# Allegro board SDHCalFEB.brd (continued)
## Nets (continued)
U245.1(P) U245.2(N) U248.1(P) U248.2(N) U249.1(P) U249.2(N) U250.1(P) U250.2(N) U251.1(P) U251.2(N) U252.1(P) U252.2(N) U253.1(P) U253.2(N) U254.1(P) U254.2(N) U255.1(P) U255.2(N) U256.1(P) U256.2(N) U257.1(P) U257.2(N) U258.1(P) U258.2(N) U259.1(P) U259.2(N) U260.1(VSSI#1) U260.21(GND_PA#21) U260.41(VSSI#41) U260.42(GND_PA#42) U260.57(GND_PA#57) U260.58(VSSI#58) U260.64(VSSA#64) U260.66(GND_DAC) U260.69(GND_BG) U260.74(VSSA#74) U260.75(VSSM#75) U260.81(VSSD#81) U260.101(VSSD#101) U260.103(RTN) U260.121(VSSD#121) U260.122(GNDD) U260.125(GND_DISCRI) U260.126(VSSM#126) U260.127(VSSA#127) U260.138(GND_SC) U260.139(VSSA#139) U260.140(GND2_PA) U260.141(GND_CAPA) U260.142(GND_SH) U260.144(VSSI#144) U260.145(GND_PA#145) U260.160(GND_PA#160) U261.1(P) U261.2(N) U262.1(P) U262.2(N) U263.1(P) U263.2(N) U264.1(P) U264.2(N) U265.1(P) U265.2(N) U266.1(P) U266.2(N) U267.1(P) U267.2(N) U268.1(P) U268.2(N) U269.1(P) U269.2(N) U270.1(P) U270.2(N) U271.1(P) U271.2(N) U272.1(P) U272.2(N) U273.1(P) U273.2(N) U274.1(P) U274.2(N) U275.1(P) U275.2(N) U276.1(P) U276.2(N) U277.1(P) U277.2(N) U278.1(P) U278.2(N) U279.1(P) U279.2(N) U280.1(P) U280.2(N) U281.1(P) U281.2(N) U282.1(P) U282.2(N) U283.1(P) U283.2(N) U284.1(P) U284.2(N) U285.1(P) U285.2(N) U286.1(P) U286.2(N) U287.1(P) U287.2(N) U288.1(P) U288.2(N) U289.1(P) U289.2(N) U290.1(P) U290.2(N) U291.1(P) U291.2(N) U292.1(P) U292.2(N) U293.1(P) U293.2(N) U294.1(P) U294.2(N) U295.1(P) U295.2(N) U296.1(P) U296.2(N) U297.1(P) U297.2(N) U298.1(P) U298.2(N) U299.1(P) U299.2(N) U300.1(P) U300.2(N) U301.1(P) U301.2(N) U302.1(P) U302.2(N) U303.1(P) U303.2(N) U304.1(P) U304.2(N) U305.1(P) U305.2(N) U306.1(P) U306.2(N) U307.1(P) U307.2(N) U308.1(P) U308.2(N) U309.1(P) U309.2(N) U310.1(P) U310.2(N) U311.1(P) U311.2(N) U312.1(P) U312.2(N) U313.1(P) U313.2(N) U314.1(P) U314.2(N) U315.1(P) U315.2(N) U316.1(P) U316.2(N) U317.1(P) U317.2(N) U318.1(P) U318.2(N) U319.1(P) U319.2(N) U320.1(P) U320.2(N) U321.1(P) U321.2(N) U322.1(P) U322.2(N) U323.1(P) U323.2(N) U324.1(P) U324.2(N) U325.1(VSSI#1) U325.21(GND_PA#21) U325.41(VSSI#41) U325.42(GND_PA#42) U325.57(GND_PA#57) U325.58(VSSI#58) U325.64(VSSA#64) U325.66(GND_DAC) U325.69(GND_BG) U325.74(VSSA#74) U325.75(VSSM#75) U325.81(VSSD#81) U325.101(VSSD#101) U325.103(RTN) U325.121(VSSD#121) U325.122(GNDD) U325.125(GND_DISCRI) U325.126(VSSM#126) U325.127(VSSA#127) U325.138(GND_SC) U325.139(VSSA#139) U325.140(GND2_PA) U325.141(GND_CAPA) U325.142(GND_SH) U325.144(VSSI#144) U325.145(GND_PA#145) U325.160(GND_PA#160) U326.1(P) U326.2(N) U327.1(P) U327.2(N) U328.1(P) U328.2(N) U329.1(P) U329.2(N) U330.1(P) U330.2(N) U331.1(P) U331.2(N) U332.1(P) U332.2(N) U333.1(P) U333.2(N) U334.1(P) U334.2(N) U335.1(P) U335.2(N) U336.1(P) U336.2(N) U337.1(P) U337.2(N) U338.1(P) U338.2(N) U339.1(P) U339.2(N) U340.1(P) U340.2(N) U341.1(P) U341.2(N) U342.1(P) U342.2(N) U343.1(P) U343.2(N) U344.1(P) U344.2(N) U345.1(P) U345.2(N) U346.1(P) U346.2(N) U347.1(P) U347.2(N) U348.1(P) U348.2(N) U349.1(P) U349.2(N) U350.1(P) U350.2(N) U351.1(P) U351.2(N) U352.1(P) U352.2(N) U353.1(P) U353.2(N) U354.1(P) U354.2(N) U355.1(P) U355.2(N) U356.1(P) U356.2(N) U357.1(P) U357.2(N) U358.1(P) U358.2(N) U359.1(P) U359.2(N) U360.1(P) U360.2(N) U361.1(P) U361.2(N) U362.1(P) U362.2(N) U363.1(P) U363.2(N) U364.1(P) U364.2(N) U365.1(P) U365.2(N) U366.1(P) U366.2(N) U367.1(P) U367.2(N) U368.1(P) U368.2(N) U369.1(P) U369.2(N) U370.1(P) U370.2(N) U371.1(P) U371.2(N) U372.1(P) U372.2(N) U373.1(P) U373.2(N) U374.1(P) U374.2(N) U375.1(P) U375.2(N) U376.1(P) U376.2(N) U377.1(P) U377.2(N) U378.1(P) U378.2(N) U379.1(P) U379.2(N) U380.1(P) U380.2(N) U381.1(P) U381.2(N) U382.1(P) U382.2(N) U383.1(P) U383.2(N) U384.1(P) U384.2(N) U385.1(P) U385.2(N) U386.1(P) U386.2(N) U387.1(P) U387.2(N) U388.1(P) U388.2(N) U389.1(P) U389.2(N) U390.1(VSSI#1) U390.21(GND_PA#21) U390.41(VSSI#41) U390.42(GND_PA#42) U390.57(GND_PA#57) U390.58(VSSI#58) U390.64(VSSA#64) U390.66(GND_DAC) U390.69(GND_BG) U390.74(VSSA#74) U390.75(VSSM#75) U390.81(VSSD#81) U390.101(VSSD#101) U390.103(RTN) U390.121(VSSD#121) U390.122(GNDD) U390.125(GND_DISCRI) U390.126(VSSM#126) U390.127(VSSA#127) U390.138(GND_SC) U390.139(VSSA#139) U390.140(GND2_PA) U390.141(GND_CAPA) U390.142(GND_SH) U390.144(VSSI#144) U390.145(GND_PA#145) U390.160(GND_PA#160) U391.1(P) U391.2(N) U392.1(P) U392.2(N) U393.1(P) U393.2(N) U394.1(P) U394.2(N) U395.1(P) U395.2(N) U396.1(P) U396.2(N) U397.1(P) U397.2(N) U398.1(P) U398.2(N) U399.1(P) U399.2(N) U400.1(P) U400.2(N) U401.1(P) U401.2(N) U402.1(P) U402.2(N) U403.1(P) U403.2(N) U404.1(P) U404.2(N) U405.1(P) U405.2(N) U406.1(P) U406.2(N) U407.1(P) U407.2(N) U408.1(P) U408.2(N) U409.1(P) U409.2(N) U410.1(P) U410.2(N) U411.1(P) U411.2(N) U412.1(P) U412.2(N) U413.1(P) U413.2(N) U414.1(P) U414.2(N) U415.1(P) U415.2(N) U416.1(P) U416.2(N) U417.1(P) U417.2(N) U418.1(P) U418.2(N) U419.1(P) U419.2(N) U420.1(P) U420.2(N) U421.1(P) U421.2(N) U422.1(P) U422.2(N) U423.1(P) U423.2(N) U424.1(P) U424.2(N) U425.1(P) U425.2(N) U426.1(P) U426.2(N) U427.1(P) U427.2(N) U428.1(P) U428.2(N) U429.1(P) U429.2(N) U430.1(P) U430.2(N) U431.1(P) U431.2(N) U432.1(P) U432.2(N) U433.1(P) U433.2(N) U434.1(P) U434.2(N) U435.1(P) U435.2(N) U436.1(P) U436.2(N) U437.1(P) U437.2(N) U438.1(P) U438.2(N) U439.1(P) U439.2(N) U440.1(P) U440.2(N) U441.1(P) U441.2(N) U442.1(P) U442.2(N) U443.1(P) U443.2(N) U444.1(P) U444.2(N) U445.1(P) U445.2(N) U446.1(P) U446.2(N) U447.1(P) U447.2(N) U448.1(P) U448.2(N) U449.1(P) U449.2(N) U450.1(P) U450.2(N) U451.1(P) U451.2(N) U452.1(P) U452.2(N) U453.1(P) U453.2(N) U454.1(P) U454.2(N) U455.1(VSSI#1) U455.21(GND_PA#21) U455.41(VSSI#41) U455.42(GND_PA#42) U455.57(GND_PA#57) U455.58(VSSI#58) U455.64(VSSA#64) U455.66(GND_DAC) U455.69(GND_BG) U455.74(VSSA#74) U455.75(VSSM#75) U455.81(VSSD#81) U455.101(VSSD#101) U455.103(RTN) U455.121(VSSD#121) U455.122(GNDD) U455.125(GND_DISCRI) U455.126(VSSM#126) U455.127(VSSA#127) U455.138(GND_SC) U455.139(VSSA#139) U455.140(GND2_PA) U455.141(GND_CAPA) U455.142(GND_SH) U455.144(VSSI#144) U455.145(GND_PA#145) U455.160(GND_PA#160) U456.1(P) U456.2(N) U457.1(P) U457.2(N) U458.1(P) U458.2(N) U459.1(P) U459.2(N) U460.1(P) U460.2(N) U461.1(P) U461.2(N) U462.1(P) U462.2(N) U463.1(P) U463.2(N) U464.1(P) U464.2(N) U465.1(P) U465.2(N) U466.1(P) U466.2(N) U467.1(P) U467.2(N) U470.1(P) U470.2(N) U473.1(P) U473.2(N) U476.1(P) U476.2(N) U477.1(P) U477.2(N) U478.1(P) U478.2(N) U479.1(P) U479.2(N) U480.1(P) U480.2(N) U481.1(P) U481.2(N) U482.1(P) U482.2(N) U483.1(P) U483.2(N) U484.1(P) U484.2(N) U486.1(P) U486.2(N) U489.1(P) U489.2(N) U491.1(P) U491.2(N) U492.1(P) U492.2(N) U493.1(P) U493.2(N) U494.1(P) U494.2(N) U495.1(P) U495.2(N) U497.1(P) U497.2(N) U500.1(P) U500.2(N) U502.1(P) U502.2(N) U503.1(P) U503.2(N) U504.1(P) U504.2(N) U505.1(P) U505.2(N) U508.1(P) U508.2(N) U509.1(P) U509.2(N) U510.1(P) U510.2(N) U511.1(P) U511.2(N) U512.1(P) U512.2(N) U513.1(P) U513.2(N) U514.1(P) U514.2(N) U515.1(P) U515.2(N) U516.1(P) U516.2(N) U517.1(P) U517.2(N) U518.1(P) U518.2(N) U519.1(P) U519.2(N) U520.1(VSSI#1) U520.21(GND_PA#21) U520.41(VSSI#41) U520.42(GND_PA#42) U520.57(GND_PA#57) U520.58(VSSI#58) U520.64(VSSA#64) U520.66(GND_DAC) U520.69(GND_BG) U520.74(VSSA#74) U520.75(VSSM#75) U520.81(VSSD#81) U520.101(VSSD#101) U520.103(RTN) U520.121(VSSD#121) U520.122(GNDD) U520.125(GND_DISCRI) U520.126(VSSM#126) U520.127(VSSA#127) U520.138(GND_SC) U520.139(VSSA#139) U520.140(GND2_PA) U520.141(GND_CAPA) U520.142(GND_SH) U520.144(VSSI#144) U520.145(GND_PA#145) U520.160(GND_PA#160) U521.1(P) U521.2(N) U522.1(P) U522.2(N) U523.1(P) U523.2(N) U524.1(P) U524.2(N) U525.1(P) U525.2(N) U526.1(P) U526.2(N) U527.1(P) U527.2(N) U528.1(P) U528.2(N) U529.1(P) U529.2(N) U530.1(P) U530.2(N) U531.1(P) U531.2(N) U532.1(P) U532.2(N) U533.1(P) U533.2(N) U534.1(P) U534.2(N) U535.1(P) U535.2(N) U536.1(P) U536.2(N) U537.1(P) U537.2(N) U538.1(P) U538.2(N) U539.1(P) U539.2(N) U540.1(P) U540.2(N) U541.1(P) U541.2(N) U542.1(P) U542.2(N) U543.1(P) U543.2(N) U544.1(P) U544.2(N) U545.1(P) U545.2(N) U546.1(P) U546.2(N) U547.1(P) U547.2(N) U548.1(P) U548.2(N) U549.1(P) U549.2(N) U550.1(P) U550.2(N) U551.1(P) U551.2(N) U552.1(P) U552.2(N) U553.1(P) U553.2(N) U554.1(P) U554.2(N) U555.1(P) U555.2(N) U556.1(P) U556.2(N) U557.1(P) U557.2(N) U558.1(P) U558.2(N) U559.1(P) U559.2(N) U560.1(P) U560.2(N) U561.1(P) U561.2(N) U562.1(P) U562.2(N) U563.1(P) U563.2(N) U564.1(P) U564.2(N) U565.1(P) U565.2(N) U566.1(P) U566.2(N) U567.1(P) U567.2(N) U568.1(P) U568.2(N) U569.1(P) U569.2(N) U570.1(P) U570.2(N) U571.1(P) U571.2(N) U572.1(P) U572.2(N) U573.1(P) U573.2(N) U574.1(P) U574.2(N) U575.1(P) U575.2(N) U576.1(P) U576.2(N) U577.1(P) U577.2(N) U578.1(P) U578.2(N) U579.1(P) U579.2(N) U580.1(P) U580.2(N) U581.1(P) U581.2(N) U582.1(P) U582.2(N) U583.1(P) U583.2(N) U584.1(P) U584.2(N) U585.1(VSSI#1) U585.21(GND_PA#21) U585.41(VSSI#41) U585.42(GND_PA#42) U585.57(GND_PA#57) U585.58(VSSI#58) U585.64(VSSA#64) U585.66(GND_DAC) U585.69(GND_BG) U585.74(VSSA#74) U585.75(VSSM#75) U585.81(VSSD#81) U585.101(VSSD#101) U585.103(RTN) U585.121(VSSD#121) U585.122(GNDD) U585.125(GND_DISCRI) U585.126(VSSM#126) U585.127(VSSA#127) U585.138(GND_SC) U585.139(VSSA#139) U585.140(GND2_PA) U585.141(GND_CAPA) U585.142(GND_SH) U585.144(VSSI#144) U585.145(GND_PA#145) U585.160(GND_PA#160) U586.1(P) U586.2(N) U587.1(P) U587.2(N) U588.1(P) U588.2(N) U589.1(P) U589.2(N) U590.1(P) U590.2(N) U591.1(P) U591.2(N) U592.1(P) U592.2(N) U593.1(P) U593.2(N) U594.1(P) U594.2(N) U595.1(P) U595.2(N) U596.1(P) U596.2(N) U597.1(P) U597.2(N) U598.1(P) U598.2(N) U599.1(P) U599.2(N) U600.1(P) U600.2(N) U601.1(P) U601.2(N) U602.1(P) U602.2(N) U603.1(P) U603.2(N) U604.1(P) U604.2(N) U605.1(P) U605.2(N) U606.1(P) U606.2(N) U607.1(P) U607.2(N) U608.1(P) U608.2(N) U609.1(P) U609.2(N) U610.1(P) U610.2(N) U611.1(P) U611.2(N) U612.1(P) U612.2(N) U613.1(P) U613.2(N) U614.1(P) U614.2(N) U615.1(P) U615.2(N) U616.1(P) U616.2(N) U617.1(P) U617.2(N) U618.1(P) U618.2(N) U619.1(P) U619.2(N) U620.1(P) U620.2(N) U621.1(P) U621.2(N) U622.1(P) U622.2(N) U623.1(P) U623.2(N) U624.1(P) U624.2(N) U625.1(P) U625.2(N) U626.1(P) U626.2(N) U627.1(P) U627.2(N) U628.1(P) U628.2(N) U629.1(P) U629.2(N) U630.1(P) U630.2(N) U631.1(P) U631.2(N) U632.1(P) U632.2(N) U633.1(P) U633.2(N) U634.1(P) U634.2(N) U635.1(P) U635.2(N) U636.1(P) U636.2(N) U637.1(P) U637.2(N) U638.1(P) U638.2(N) U639.1(P) U639.2(N) U640.1(P) U640.2(N) U641.1(P) U641.2(N) U642.1(P) U642.2(N) U643.1(P) U643.2(N) U644.1(P) U644.2(N) U645.1(P) U645.2(N) U646.1(P) U646.2(N) U647.1(P) U647.2(N) U648.1(P) U648.2(N) U649.1(P) U649.2(N) U650.1(VSSI#1) U650.21(GND_PA#21) U650.41(VSSI#41) U650.42(GND_PA#42) U650.57(GND_PA#57) U650.58(VSSI#58) U650.64(VSSA#64) U650.66(GND_DAC) U650.69(GND_BG) U650.74(VSSA#74) U650.75(VSSM#75) U650.81(VSSD#81) U650.101(VSSD#101) U650.103(RTN) U650.121(VSSD#121) U650.122(GNDD) U650.125(GND_DISCRI) U650.126(VSSM#126) U650.127(VSSA#127) U650.138(GND_SC) U650.139(VSSA#139) U650.140(GND2_PA) U650.141(GND_CAPA) U650.142(GND_SH) U650.144(VSSI#144) U650.145(GND_PA#145) U650.160(GND_PA#160) U651.1(P) U651.2(N) U652.1(P) U652.2(N) U653.1(P) U653.2(N) U654.1(P) U654.2(N) U655.1(P) U655.2(N) U656.1(P) U656.2(N) U657.1(P) U657.2(N) U658.1(P) U658.2(N) U659.1(P) U659.2(N) U660.1(P) U660.2(N) U661.1(P) U661.2(N) U662.1(P) U662.2(N) U663.1(P) U663.2(N) U664.1(P) U664.2(N) U665.1(P) U665.2(N) U666.1(P) U666.2(N) U667.1(P) U667.2(N) U668.1(P) U668.2(N) U669.1(P) U669.2(N) U670.1(P) U670.2(N) U671.1(P) U671.2(N) U672.1(P) U672.2(N) U673.1(P) U673.2(N) U674.1(P) U674.2(N) U675.1(P) U675.2(N) U676.1(P) U676.2(N) U677.1(P) U677.2(N) U678.1(P) U678.2(N) U679.1(P) U679.2(N) U680.1(P) U680.2(N) U681.1(P) U681.2(N) U682.1(P) U682.2(N) U683.1(P) U683.2(N) U684.1(P) U684.2(N) U685.1(P) U685.2(N) U686.1(P) U686.2(N) U687.1(P) U687.2(N) U688.1(P) U688.2(N) U689.1(P) U689.2(N) U690.1(P) U690.2(N) U691.1(P) U691.2(N) U692.1(P) U692.2(N) U693.1(P) U693.2(N) U694.1(P) U694.2(N) U695.1(P) U695.2(N) U696.1(P) U696.2(N) U697.1(P) U697.2(N) U698.1(P) U698.2(N) U699.1(P) U699.2(N) U700.1(P) U700.2(N) U701.1(P) U701.2(N) U702.1(P) U702.2(N) U703.1(P) U703.2(N) U704.1(P) U704.2(N) U705.1(P) U705.2(N) U706.1(P) U706.2(N) U707.1(P) U707.2(N) U708.1(P) U708.2(N) U709.1(P) U709.2(N) U710.1(P) U710.2(N) U711.1(P) U711.2(N) U712.1(P) U712.2(N) U713.1(P) U713.2(N) U714.1(P) U714.2(N) U715.1(VSSI#1) U715.21(GND_PA#21) U715.41(VSSI#41) U715.42(GND_PA#42) U715.57(GND_PA#57) U715.58(VSSI#58) U715.64(VSSA#64) U715.66(GND_DAC) U715.69(GND_BG) U715.74(VSSA#74) U715.75(VSSM#75) U715.81(VSSD#81) U715.101(VSSD#101) U715.103(RTN) U715.121(VSSD#121) U715.122(GNDD) U715.125(GND_DISCRI) U715.126(VSSM#126) U715.127(VSSA#127) U715.138(GND_SC) U715.139(VSSA#139) U715.140(GND2_PA) U715.141(GND_CAPA) U715.142(GND_SH) U715.144(VSSI#144) U715.145(GND_PA#145) U715.160(GND_PA#160) U716.1(P) U716.2(N) U717.1(P) U717.2(N) U718.1(P) U718.2(N) U719.1(P) U719.2(N) U720.1(P) U720.2(N) U721.1(P) U721.2(N) U722.1(P) U722.2(N) U723.1(P) U723.2(N) U724.1(P) U724.2(N) U725.1(P) U725.2(N) U726.1(P) U726.2(N) U727.1(P) U727.2(N) U730.1(P) U730.2(N) U733.1(P) U733.2(N) U736.1(P) U736.2(N) U737.1(P) U737.2(N) U738.1(P) U738.2(N) U739.1(P) U739.2(N) U740.1(P) U740.2(N) U741.1(P) U741.2(N) U742.1(P) U742.2(N) U743.1(P) U743.2(N) U744.1(P) U744.2(N) U746.1(P) U746.2(N) U749.1(P) U749.2(N) U751.1(P) U751.2(N) U752.1(P) U752.2(N) U753.1(P) U753.2(N) U754.1(P) U754.2(N) U755.1(P) U755.2(N) U757.1(P) U757.2(N) U760.1(P) U760.2(N) U762.1(P) U762.2(N) U763.1(P) U763.2(N) U764.1(P) U764.2(N) U765.1(P) U765.2(N) U768.1(P) U768.2(N) U769.1(P) U769.2(N) U770.1(P) U770.2(N) U771.1(P) U771.2(N) U772.1(P) U772.2(N) U773.1(P) U773.2(N) U774.1(P) U774.2(N) U775.1(P) U775.2(N) U776.1(P) U776.2(N) U777.1(P) U777.2(N) U778.1(P) U778.2(N) U779.1(P) U779.2(N) U780.1(VSSI#1) U780.21(GND_PA#21) U780.41(VSSI#41) U780.42(GND_PA#42) U780.57(GND_PA#57) U780.58(VSSI#58) U780.64(VSSA#64) U780.66(GND_DAC) U780.69(GND_BG) U780.74(VSSA#74) U780.75(VSSM#75) U780.81(VSSD#81) U780.101(VSSD#101) U780.103(RTN) U780.121(VSSD#121) U780.122(GNDD) U780.125(GND_DISCRI) U780.126(VSSM#126) U780.127(VSSA#127) U780.138(GND_SC) U780.139(VSSA#139) U780.140(GND2_PA) U780.141(GND_CAPA) U780.142(GND_SH) U780.144(VSSI#144) U780.145(GND_PA#145) U780.160(GND_PA#160) U781.1(P) U781.2(N) U782.1(P) U782.2(N) U783.1(P) U783.2(N) U784.1(P) U784.2(N) U785.1(P) U785.2(N) U786.1(P) U786.2(N) U787.1(P) U787.2(N) U788.1(P) U788.2(N) U789.1(P) U789.2(N) U790.1(P) U790.2(N) U791.1(P) U791.2(N) U792.1(P) U792.2(N) U793.1(P) U793.2(N) U794.1(P) U794.2(N) U795.1(P) U795.2(N) U796.1(P) U796.2(N) U797.1(P) U797.2(N) U798.1(P) U798.2(N) U799.1(P) U799.2(N) U800.1(P) U800.2(N) U801.1(P) U801.2(N) U802.1(P) U802.2(N) U803.1(P) U803.2(N) U804.1(P) U804.2(N) U805.1(P) U805.2(N) U806.1(P) U806.2(N) U807.1(P) U807.2(N) U808.1(P) U808.2(N) U809.1(P) U809.2(N) U810.1(P) U810.2(N) U811.1(P) U811.2(N) U812.1(P) U812.2(N) U813.1(P) U813.2(N) U815.1(P) U815.2(N) U820.1(P) U820.2(N) U821.1(P) U821.2(N) U824.1(P) U824.2(N) U830.1(P) U830.2(N) U831.1(P) U831.2(N) U832.1(P) U832.2(N) U833.1(P) U833.2(N) U834.1(P) U834.2(N) U835.1(P) U835.2(N) U836.1(P) U836.2(N) U837.1(P) U837.2(N) U838.1(P) U838.2(N) U839.1(P) U839.2(N) U840.1(P) U840.2(N) U845.1(VSSI#1) U845.21(GND_PA#21) U845.41(VSSI#41) U845.42(GND_PA#42) U845.57(GND_PA#57) U845.58(VSSI#58) U845.64(VSSA#64) U845.66(GND_DAC) U845.69(GND_BG) U845.74(VSSA#74) U845.75(VSSM#75) U845.81(VSSD#81) U845.101(VSSD#101) U845.103(RTN) U845.121(VSSD#121) U845.122(GNDD) U845.125(GND_DISCRI) U845.126(VSSM#126) U845.127(VSSA#127) U845.138(GND_SC) U845.139(VSSA#139) U845.140(GND2_PA) U845.141(GND_CAPA) U845.142(GND_SH) U845.144(VSSI#144) U845.145(GND_PA#145) U845.160(GND_PA#160) U846.1(P) U846.2(N) U847.1(P) U847.2(N) U848.1(P) U848.2(N) U849.1(P) U849.2(N) U850.1(P) U850.2(N) U851.1(P) U851.2(N) U852.1(P) U852.2(N) U853.1(P) U853.2(N) U854.1(P) U854.2(N) U855.1(P) U855.2(N) U856.1(P) U856.2(N) U857.1(P) U857.2(N) U858.1(P) U858.2(N) U859.1(P) U859.2(N) U860.1(P) U860.2(N) U861.1(P) U861.2(N) U862.1(P) U862.2(N) U863.1(P) U863.2(N) U864.1(P) U864.2(N) U865.1(P) U865.2(N) U866.1(P) U866.2(N) U867.1(P) U867.2(N) U868.1(P) U868.2(N) U869.1(P) U869.2(N) U870.1(P) U870.2(N) U871.1(P) U871.2(N) U872.1(P) U872.2(N) U873.1(P) U873.2(N) U874.1(P) U874.2(N) U875.1(P) U875.2(N) U876.1(P) U876.2(N) U877.1(P) U877.2(N) U878.1(P) U878.2(N) U880.1(P) U880.2(N) U885.1(P) U885.2(N) U886.1(P) U886.2(N) U889.1(P) U889.2(N) U895.1(P) U895.2(N) U896.1(P) U896.2(N) U897.1(P) U897.2(N) U898.1(P) U898.2(N) U899.1(P) U899.2(N) U900.1(P) U900.2(N) U901.1(P) U901.2(N) U902.1(P) U902.2(N) U903.1(P) U903.2(N) U904.1(P) U904.2(N) U905.1(P) U905.2(N) U910.1(VSSI#1) U910.21(GND_PA#21) U910.41(VSSI#41) U910.42(GND_PA#42) U910.57(GND_PA#57) U910.58(VSSI#58) U910.64(VSSA#64) U910.66(GND_DAC) U910.69(GND_BG) U910.74(VSSA#74) U910.75(VSSM#75) U910.81(VSSD#81) U910.101(VSSD#101) U910.103(RTN) U910.121(VSSD#121) U910.122(GNDD) U910.125(GND_DISCRI) U910.126(VSSM#126) U910.127(VSSA#127) U910.138(GND_SC) U910.139(VSSA#139) U910.140(GND2_PA) U910.141(GND_CAPA) U910.142(GND_SH) U910.144(VSSI#144) U910.145(GND_PA#145) U910.160(GND_PA#160) U911.1(P) U911.2(N) U912.1(P) U912.2(N) U913.1(P) U913.2(N) U914.1(P) U914.2(N) U915.1(P) U915.2(N) U916.1(P) U916.2(N) U917.1(P) U917.2(N) U918.1(P) U918.2(N) U919.1(P) U919.2(N) U920.1(P) U920.2(N) U921.1(P) U921.2(N) U922.1(P) U922.2(N) U923.1(P) U923.2(N) U924.1(P) U924.2(N) U925.1(P) U925.2(N) U926.1(P) U926.2(N) U927.1(P) U927.2(N) U928.1(P) U928.2(N) U929.1(P) U929.2(N) U930.1(P) U930.2(N) U931.1(P) U931.2(N) U932.1(P) U932.2(N) U933.1(P) U933.2(N) U934.1(P) U934.2(N) U935.1(P) U935.2(N) U936.1(P) U936.2(N) U937.1(P) U937.2(N) U938.1(P) U938.2(N) U939.1(P) U939.2(N) U940.1(P) U940.2(N) U941.1(P) U941.2(N) U942.1(P) U942.2(N) U943.1(P) U943.2(N) U945.1(P) U945.2(N) U950.1(P) U950.2(N) U951.1(P) U951.2(N) U954.1(P) U954.2(N) U960.1(P) U960.2(N) U961.1(P) U961.2(N) U962.1(P) U962.2(N) U963.1(P) U963.2(N) U964.1(P) U964.2(N) U965.1(P) U965.2(N) U966.1(P) U966.2(N) U967.1(P) U967.2(N) U968.1(P) U968.2(N) U969.1(P) U969.2(N) U970.1(P) U970.2(N) U975.1(VSSI#1) U975.21(GND_PA#21) U975.41(VSSI#41) U975.42(GND_PA#42) U975.57(GND_PA#57) U975.58(VSSI#58) U975.64(VSSA#64) U975.66(GND_DAC) U975.69(GND_BG) U975.74(VSSA#74) U975.75(VSSM#75) U975.81(VSSD#81) U975.101(VSSD#101) U975.103(RTN) U975.121(VSSD#121) U975.122(GNDD) U975.125(GND_DISCRI) U975.126(VSSM#126) U975.127(VSSA#127) U975.138(GND_SC) U975.139(VSSA#139) U975.140(GND2_PA) U975.141(GND_CAPA) U975.142(GND_SH) U975.144(VSSI#144) U975.145(GND_PA#145) U975.160(GND_PA#160) U976.1(P) U976.2(N) U977.1(P) U977.2(N) U978.1(P) U978.2(N) U979.1(P) U979.2(N) U980.1(P) U980.2(N) U981.1(P) U981.2(N) U982.1(P) U982.2(N) U983.1(P) U983.2(N) U984.1(P) U984.2(N) U985.1(P) U985.2(N) U986.1(P) U986.2(N) U987.1(P) U987.2(N) U990.1(P) U990.2(N) U993.1(P) U993.2(N) U996.1(P) U996.2(N) U997.1(P) U997.2(N) U998.1(P) U998.2(N) U999.1(P) U999.2(N) U1000.1(P) U1000.2(N) U1001.1(P) U1001.2(N) U1002.1(P) U1002.2(N) U1003.1(P) U1003.2(N) U1004.1(P) U1004.2(N) U1006.1(P) U1006.2(N) U1010.1(P) U1010.2(N) U1025.1(P) U1025.2(N) U1026.1(P) U1026.2(N) U1027.1(P) U1027.2(N) U1028.1(P) U1028.2(N) U1029.1(P) U1029.2(N) U1030.1(P) U1030.2(N) U1031.1(P) U1031.2(N) U1032.1(P) U1032.2(N) U1033.1(P) U1033.2(N) U1034.1(P) U1034.2(N) U1035.1(P) U1035.2(N) U1040.1(VSSI#1) U1040.21(GND_PA#21) U1040.41(VSSI#41) U1040.42(GND_PA#42) U1040.57(GND_PA#57) U1040.58(VSSI#58) U1040.64(VSSA#64) U1040.66(GND_DAC) U1040.69(GND_BG) U1040.74(VSSA#74) U1040.75(VSSM#75) U1040.81(VSSD#81) U1040.101(VSSD#101) U1040.103(RTN) U1040.121(VSSD#121) U1040.122(GNDD) U1040.125(GND_DISCRI) U1040.126(VSSM#126) U1040.127(VSSA#127) U1040.138(GND_SC) U1040.139(VSSA#139) U1040.140(GND2_PA) U1040.141(GND_CAPA) U1040.142(GND_SH) U1040.144(VSSI#144) U1040.145(GND_PA#145) U1040.160(GND_PA#160) U1041.1(GND_F) U1041.2(GND_S) U1042.1(P) U1043.1(NO) U1043.3(GND) U1044.5(AGND) U1045.4(V-) U1046.1(NO) U1046.3(GND) U1047.1(P) U1048.4(VS-) U1050.5(GND#5) U1050.6(GND#6) U1050.7(GND#7) U1050.8(GND#8) U1050.13(O\E\) U1050.24(O\E\) U1051.5(GND#5) U1051.6(GND#6) U1051.7(GND#7) U1051.8(GND#8) U1051.13(O\E\) U1051.24(O\E\) U1052.5(GND#5) U1052.6(GND#6) U1052.7(GND#7) U1052.8(GND#8) U1052.13(O\E\) U1052.24(O\E\) U1053.5(GND#5) U1053.6(GND#6) U1053.7(GND#7) U1053.8(GND#8) U1053.13(O\E\) U1053.24(O\E\) U1054.5(GND) U1055.5(GND) U1056.5(GND) U1057.5(GND) U1058.3(GND) U1060.7(GND) U1061.3(VSS) U1061.14(GND) U1062.3(GND) U1064.7(GND) U1065.3(GND) U1067.3(VSS) U1067.14(GND) U1068.7(GND) U1069.3(GND) U1071.3(VSS) U1071.14(GND) U1073.3(GND) U1076.8(GND#8) U1076.18(GND#18) U1076.21(THERMALPAD) U1077.8(GND#8) U1077.18(GND#18) U1077.21(THERMALPAD) U1078.11(-VS) U1079.11(-VS) U1080.11(-VS) U1081.11(-VS) U1082.7(GND)
VCC3.3VA: C79.1 C80.1 C81.1 C82.1 C83.1 C84.1 C85.1 C166.1 C167.1 C168.1 C169.1 C170.1 C171.1 C172.1 C253.1 C254.1 C255.1 C256.1 C257.1 C258.1 C259.1 C340.1 C341.1 C342.1 C343.1 C344.1 C345.1 C346.1 C427.1 C428.1 C429.1 C430.1 C431.1 C432.1 C433.1 C514.1 C515.1 C516.1 C517.1 C518.1 C519.1 C520.1 C601.1 C602.1 C603.1 C604.1 C605.1 C606.1 C607.1 C688.1 C689.1 C690.1 C691.1 C692.1 C693.1 C694.1 C775.1 C776.1 C777.1 C778.1 C779.1 C780.1 C781.1 C862.1 C863.1 C864.1 C865.1 C866.1 C867.1 C868.1 C949.1 C950.1 C951.1 C952.1 C953.1 C954.1 C955.1 C1036.1 C1037.1 C1038.1 C1039.1 C1040.1 C1041.1 C1042.1 C1123.1 C1124.1 C1125.1 C1126.1 C1127.1 C1128.1 C1129.1 C1210.1 C1211.1 C1212.1 C1213.1 C1214.1 C1215.1 C1216.1 C1297.1 C1298.1 C1299.1 C1300.1 C1301.1 C1302.1 C1303.1 C1384.1 C1385.1 C1386.1 C1387.1 C1388.1 C1389.1 C1390.1 C1395.1 C1398.1 C1399.1 C1400.1 C1401.1 C1402.1 C1403.1 C1404.1 C1405.1 C1406.1 C1407.1 C1464.1 C1465.1 C1477.1 C1478.1 C1479.1 C1480.1 C1481.1 C1482.1 C1483.1 C1484.1 C1485.1 C1486.1 L2.2 R2597.1 U65.60(VDD_PA) U65.67(VDD_DAC) U65.68(VDD_BG) U65.76(VDD_DISCRI) U65.143(VDD_SH) U130.60(VDD_PA) U130.67(VDD_DAC) U130.68(VDD_BG) U130.76(VDD_DISCRI) U130.143(VDD_SH) U195.60(VDD_PA) U195.67(VDD_DAC) U195.68(VDD_BG) U195.76(VDD_DISCRI) U195.143(VDD_SH) U260.60(VDD_PA) U260.67(VDD_DAC) U260.68(VDD_BG) U260.76(VDD_DISCRI) U260.143(VDD_SH) U325.60(VDD_PA) U325.67(VDD_DAC) U325.68(VDD_BG) U325.76(VDD_DISCRI) U325.143(VDD_SH) U390.60(VDD_PA) U390.67(VDD_DAC) U390.68(VDD_BG) U390.76(VDD_DISCRI) U390.143(VDD_SH) U455.60(VDD_PA) U455.67(VDD_DAC) U455.68(VDD_BG) U455.76(VDD_DISCRI) U455.143(VDD_SH) U520.60(VDD_PA) U520.67(VDD_DAC) U520.68(VDD_BG) U520.76(VDD_DISCRI) U520.143(VDD_SH) U585.60(VDD_PA) U585.67(VDD_DAC) U585.68(VDD_BG) U585.76(VDD_DISCRI) U585.143(VDD_SH) U650.60(VDD_PA) U650.67(VDD_DAC) U650.68(VDD_BG) U650.76(VDD_DISCRI) U650.143(VDD_SH) U715.60(VDD_PA) U715.67(VDD_DAC) U715.68(VDD_BG) U715.76(VDD_DISCRI) U715.143(VDD_SH) U780.60(VDD_PA) U780.67(VDD_DAC) U780.68(VDD_BG) U780.76(VDD_DISCRI) U780.143(VDD_SH) U845.60(VDD_PA) U845.67(VDD_DAC) U845.68(VDD_BG) U845.76(VDD_DISCRI) U845.143(VDD_SH) U910.60(VDD_PA) U910.67(VDD_DAC) U910.68(VDD_BG) U910.76(VDD_DISCRI) U910.143(VDD_SH) U975.60(VDD_PA) U975.67(VDD_DAC) U975.68(VDD_BG) U975.76(VDD_DISCRI) U975.143(VDD_SH) U1040.60(VDD_PA) U1040.67(VDD_DAC) U1040.68(VDD_BG) U1040.76(VDD_DISCRI) U1040.143(VDD_SH) U1041.3(ENABLE) U1041.4(IN) U1042.2(N) U1043.5(V+) U1044.8(VDD) U1045.8(V+) U1046.5(V+) U1047.2(N) U1048.8(VS+) U1078.4(+VS) U1079.4(+VS) U1080.4(+VS) U1081.4(+VS)
VCC3.3VD: C75.1 C76.1 C77.1 C78.1 C86.1 C87.1 C162.1 C163.1 C164.1 C165.1 C173.1 C174.1 C249.1 C250.1 C251.1 C252.1 C260.1 C261.1 C336.1 C337.1 C338.1 C339.1 C347.1 C348.1 C423.1 C424.1 C425.1 C426.1 C434.1 C435.1 C510.1 C511.1 C512.1 C513.1 C521.1 C522.1 C597.1 C598.1 C599.1 C600.1 C608.1 C609.1 C684.1 C685.1 C686.1 C687.1 C695.1 C696.1 C771.1 C772.1 C773.1 C774.1 C782.1 C783.1 C858.1 C859.1 C860.1 C861.1 C869.1 C870.1 C945.1 C946.1 C947.1 C948.1 C956.1 C957.1 C1032.1 C1033.1 C1034.1 C1035.1 C1043.1 C1044.1 C1119.1 C1120.1 C1121.1 C1122.1 C1130.1 C1131.1 C1206.1 C1207.1 C1208.1 C1209.1 C1217.1 C1218.1 C1293.1 C1294.1 C1295.1 C1296.1 C1304.1 C1305.1 C1380.1 C1381.1 C1382.1 C1383.1 C1391.1 C1392.1 C1410.1 C1411.1 C1412.1 C1413.1 C1414.1 C1415.1 C1416.1 C1417.1 C1418.1 C1419.1 C1420.1 C1421.1 C1422.1 C1423.1 C1424.1 C1425.1 C1426.1 C1427.1 C1428.1 C1429.1 C1430.1 C1431.1 C1432.1 C1433.1 C1434.1 C1435.1 C1436.1 C1437.1 C1438.1 C1439.1 C1440.1 C1441.1 C1442.1 C1443.1 C1444.1 C1445.1 C1446.1 C1447.1 C1448.1 C1449.1 C1450.1 C1451.1 C1452.1 C1453.1 C1454.1 C1455.1 C1456.1 C1457.1 C1458.1 C1472.1 C1473.1 L3.2 R77.1 R78.2 R79.1 R80.1 R81.1 R82.1 R83.1 R84.1 R410.1 R411.2 R412.1 R413.1 R414.1 R415.1 R416.1 R417.1 R743.1 R744.2 R745.1 R746.1 R747.1 R748.1 R749.1 R750.1 R1076.1 R1077.2 R1078.1 R1079.1 R1080.1 R1081.1 R1082.1 R1083.1 R2589.2 R2590.2 R2591.2 R2592.2 R2593.2 R2594.2 R2598.1 U65.80(VDDD2) U65.82(VDDD#82) U65.120(VDDD#120) U65.137(VDD_SC) U130.80(VDDD2) U130.82(VDDD#82) U130.120(VDDD#120) U130.137(VDD_SC) U195.80(VDDD2) U195.82(VDDD#82) U195.120(VDDD#120) U195.137(VDD_SC) U260.80(VDDD2) U260.82(VDDD#82) U260.120(VDDD#120) U260.137(VDD_SC) U325.80(VDDD2) U325.82(VDDD#82) U325.120(VDDD#120) U325.137(VDD_SC) U390.80(VDDD2) U390.82(VDDD#82) U390.120(VDDD#120) U390.137(VDD_SC) U455.80(VDDD2) U455.82(VDDD#82) U455.120(VDDD#120) U455.137(VDD_SC) U520.80(VDDD2) U520.82(VDDD#82) U520.120(VDDD#120) U520.137(VDD_SC) U585.80(VDDD2) U585.82(VDDD#82) U585.120(VDDD#120) U585.137(VDD_SC) U650.80(VDDD2) U650.82(VDDD#82) U650.120(VDDD#120) U650.137(VDD_SC) U715.80(VDDD2) U715.82(VDDD#82) U715.120(VDDD#120) U715.137(VDD_SC) U780.80(VDDD2) U780.82(VDDD#82) U780.120(VDDD#120) U780.137(VDD_SC) U845.80(VDDD2) U845.82(VDDD#82) U845.120(VDDD#120) U845.137(VDD_SC) U910.80(VDDD2) U910.82(VDDD#82) U910.120(VDDD#120) U910.137(VDD_SC) U975.80(VDDD2) U975.82(VDDD#82) U975.120(VDDD#120) U975.137(VDD_SC) U1040.80(VDDD2) U1040.82(VDDD#82) U1040.120(VDDD#120) U1040.137(VDD_SC) U1050.18(VCC) U1050.19(VCC) U1051.18(VCC) U1051.19(VCC) U1052.18(VCC) U1052.19(VCC) U1053.18(VCC) U1053.19(VCC) U1054.1(DE0) U1054.2(DE1) U1054.3(DE2) U1054.4(VDD) U1054.8(DE3) U1055.1(DE0) U1055.2(DE1) U1055.3(DE2) U1055.4(VDD) U1055.8(DE3) U1056.1(DE0) U1056.2(DE1) U1056.3(DE2) U1056.4(VDD) U1056.8(DE3) U1057.1(DE0) U1057.2(DE1) U1057.3(DE2) U1057.4(VDD) U1057.8(DE3) U1058.5(EN) U1058.6(VDD) U1060.14(VCC) U1061.2(EN) U1061.13(VDD) U1062.5(EN) U1062.6(VDD) U1064.14(VCC) U1065.5(EN) U1065.6(VDD) U1067.2(EN) U1067.13(VDD) U1068.14(VCC) U1069.5(EN) U1069.6(VDD) U1071.2(EN) U1071.13(VDD) U1073.5(EN) U1073.6(VDD) U1082.14(VCC)
VCC5.0V: C1466.2 C1474.2 R2512.2 R2514.1 R2516.1 R2517.1 R2518.1 R2519.1 R2526.1 R2527.1 R2528.1 R2529.1 R2530.1 R2532.1 R2533.1 R2534.1 R2535.1 R2537.1 R2538.1 U1076.14(EN) U1076.15(IN#15) U1076.16(IN#16) U1076.17(IN#17) U1077.14(EN) U1077.15(IN#15) U1077.16(IN#16) U1077.17(IN#17)
VCC5.0V_BOARD_IN: C1459.1 C1460.1 L1.2 R2516.2 R2518.2 R2526.2 R2528.2 R2530.2 R2533.2 R2535.2 R2538.2
VCC5.0V_CON_IN: R1365.2 R1366.2 R1367.2 R1368.2 R1371.1 R1372.2 R1373.1 R1374.2 R2514.2 R2517.2 R2519.2 R2527.2 R2529.2 R2532.2 R2534.2 R2537.2
ANALOGIN1_ASIC_A1: C1.2 R65.1
ANALOGIN1_ASIC_A2: C88.2 R149.1
ANALOGIN1_ASIC_A3: C175.2 R232.1
ANALOGIN1_ASIC_A4: C262.2 R315.1
ANALOGIN1_ASIC_B1: C349.2 R398.1
ANALOGIN1_ASIC_B5: C436.2 R482.1
ANALOGIN1_ASIC_B6: C523.2 R565.1
ANALOGIN1_ASIC_B7: C610.2 R648.1
ANALOGIN1_ASIC_C1: C697.2 R731.1
ANALOGIN1_ASIC_C2: C784.2 R815.1
ANALOGIN1_ASIC_C3: C871.2 R898.1
ANALOGIN1_ASIC_C4: C958.2 R981.1
ANALOGIN1_ASIC_D1: C1045.2 R1064.1
ANALOGIN1_ASIC_D2: C1132.2 R1148.1
ANALOGIN1_ASIC_D3: C1219.2 R1231.1
ANALOGIN1_ASIC_D4: C1306.2 R1314.1
ANALOGIN2_ASIC_A1: C2.2 U65.147(IN<1>)
ANALOGIN2_ASIC_A2: C89.2 U130.147(IN<1>)
ANALOGIN2_ASIC_A3: C176.2 U195.147(IN<1>)
ANALOGIN2_ASIC_A4: C263.2 U260.147(IN<1>)
ANALOGIN2_ASIC_B1: C350.2 U325.147(IN<1>)
ANALOGIN2_ASIC_B5: C437.2 U390.147(IN<1>)
ANALOGIN2_ASIC_B6: C524.2 U455.147(IN<1>)
ANALOGIN2_ASIC_B7: C611.2 U520.147(IN<1>)
ANALOGIN2_ASIC_C1: C698.2 U585.147(IN<1>)
ANALOGIN2_ASIC_C2: C785.2 U650.147(IN<1>)
ANALOGIN2_ASIC_C3: C872.2 U715.147(IN<1>)
ANALOGIN2_ASIC_C4: C959.2 U780.147(IN<1>)
ANALOGIN2_ASIC_D1: C1046.2 U845.147(IN<1>)
ANALOGIN2_ASIC_D2: C1133.2 U910.147(IN<1>)
ANALOGIN2_ASIC_D3: C1220.2 U975.147(IN<1>)
ANALOGIN2_ASIC_D4: C1307.2 U1040.147(IN<1>)
ANALOGIN3_ASIC_A1: C3.2 U65.148(IN<2>)
ANALOGIN3_ASIC_A2: C90.2 U130.148(IN<2>)
ANALOGIN3_ASIC_A3: C177.2 U195.148(IN<2>)
ANALOGIN3_ASIC_A4: C264.2 U260.148(IN<2>)
ANALOGIN3_ASIC_B1: C351.2 U325.148(IN<2>)
ANALOGIN3_ASIC_B5: C438.2 U390.148(IN<2>)
ANALOGIN3_ASIC_B6: C525.2 U455.148(IN<2>)
ANALOGIN3_ASIC_B7: C612.2 U520.148(IN<2>)
ANALOGIN3_ASIC_C1: C699.2 U585.148(IN<2>)
ANALOGIN3_ASIC_C2: C786.2 U650.148(IN<2>)
ANALOGIN3_ASIC_C3: C873.2 U715.148(IN<2>)
ANALOGIN3_ASIC_C4: C960.2 U780.148(IN<2>)
ANALOGIN3_ASIC_D1: C1047.2 U845.148(IN<2>)
ANALOGIN3_ASIC_D2: C1134.2 U910.148(IN<2>)
ANALOGIN3_ASIC_D3: C1221.2 U975.148(IN<2>)
ANALOGIN3_ASIC_D4: C1308.2 U1040.148(IN<2>)
ANALOGIN4_ASIC_A1: C4.2 U65.149(IN<3>)
ANALOGIN4_ASIC_A2: C91.2 U130.149(IN<3>)
ANALOGIN4_ASIC_A3: C178.2 U195.149(IN<3>)
ANALOGIN4_ASIC_A4: C265.2 U260.149(IN<3>)
ANALOGIN4_ASIC_B1: C352.2 U325.149(IN<3>)
ANALOGIN4_ASIC_B5: C439.2 U390.149(IN<3>)
ANALOGIN4_ASIC_B6: C526.2 U455.149(IN<3>)
ANALOGIN4_ASIC_B7: C613.2 U520.149(IN<3>)
ANALOGIN4_ASIC_C1: C700.2 U585.149(IN<3>)
ANALOGIN4_ASIC_C2: C787.2 U650.149(IN<3>)
ANALOGIN4_ASIC_C3: C874.2 U715.149(IN<3>)
ANALOGIN4_ASIC_C4: C961.2 U780.149(IN<3>)
ANALOGIN4_ASIC_D1: C1048.2 U845.149(IN<3>)
ANALOGIN4_ASIC_D2: C1135.2 U910.149(IN<3>)
ANALOGIN4_ASIC_D3: C1222.2 U975.149(IN<3>)
ANALOGIN4_ASIC_D4: C1309.2 U1040.149(IN<3>)
ANALOGIN5_ASIC_A1: C5.2 U65.150(IN<4>)
ANALOGIN5_ASIC_A2: C92.2 U130.150(IN<4>)
ANALOGIN5_ASIC_A3: C179.2 U195.150(IN<4>)
ANALOGIN5_ASIC_A4: C266.2 U260.150(IN<4>)
ANALOGIN5_ASIC_B1: C353.2 U325.150(IN<4>)
ANALOGIN5_ASIC_B5: C440.2 U390.150(IN<4>)
ANALOGIN5_ASIC_B6: C527.2 U455.150(IN<4>)
ANALOGIN5_ASIC_B7: C614.2 U520.150(IN<4>)
ANALOGIN5_ASIC_C1: C701.2 U585.150(IN<4>)
ANALOGIN5_ASIC_C2: C788.2 U650.150(IN<4>)
